# Altium PCB MB1397.PcbDoc (part 3 of 11)
Units mm, origin at the board's own origin, x right, y up, seen from the top; angles counter-clockwise.
Board outline 118.24 x 172.86 mm, 6 copper layers (Top Layer, L2_GND, L3_VCC, L4_SIG, L5_GND, Bottom Layer), stack 1.631 mm thick; 819 components, 632 nets, 2875 pads, 1523 vias.
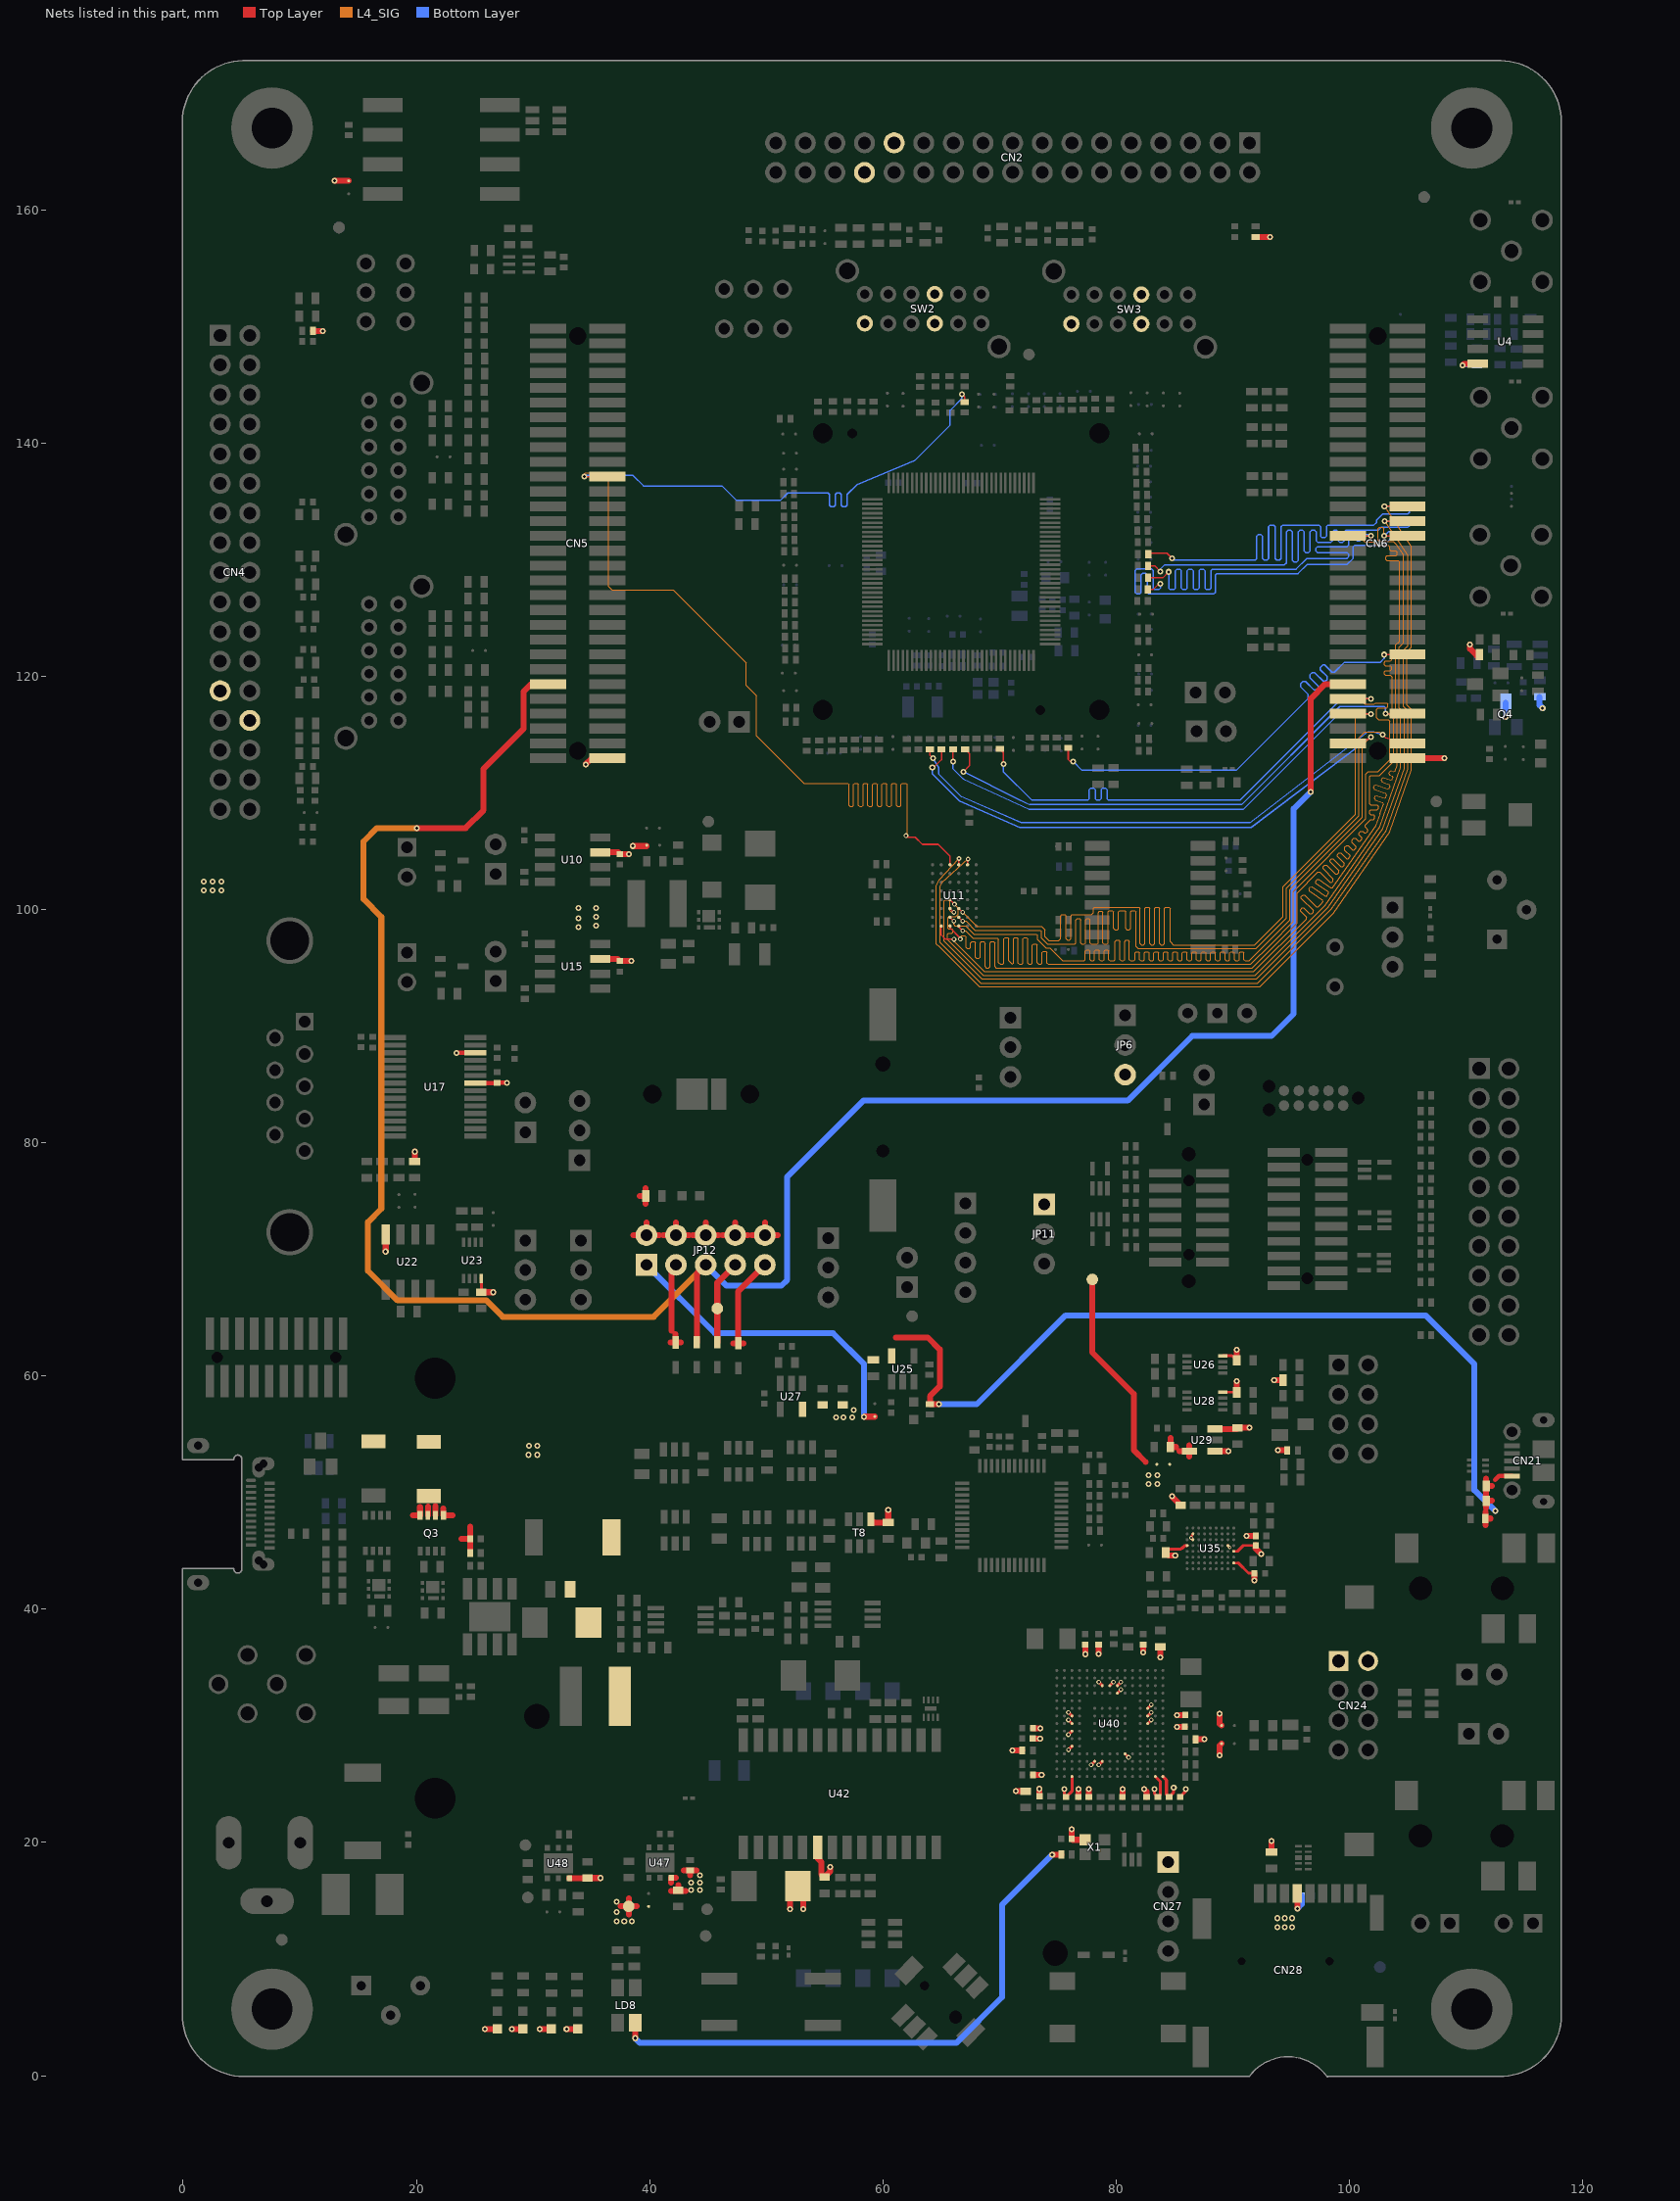
[diagram p7: the nets of this part, all layers, seen from the top]

## Part data (continued)
C2 C3 C4 C5 C6 C7 C8 C9 C10 C11 C22 C23 C24 C26 C29 C31 C33 C34 C37 C39 C40 C42 C44 C47 C48 C50 C51 C52 C53 C54 C55 C56 C57 C58 C59 C63 C72 C77 C78 C80 C82 C83 C93 C94 C96 C98 C100 C106 C107 C116 C117 C118 C125 C128 C130 C131 C132 C133 C134 C136 C137 C138 C139 C140 C141 C142 C143 C144 C145 C146 C147 C148 C157 C160 C161 C162 C164 C165 C168 C169 C170 C173 C174 C175 C176 C184 C186: library part MCD-00006, "Capacitor, MLCC, 100nF, 16V, X7R, 10%, 0402, T=0.5mm"
C12 C38 C71 C74: library part MCD-00011, "Capacitor, MLCC, 10nF, 16V, X7R, 10%, 0402, T=0.5mm"
C13 C28 C36 C45 C60 C61 C62 C64 C65 C67 C69 C70 C108 C110 C111 C119 C120 C126 C127 C153 C154 C155 C158 C159 C179: library part MCD-00211, "Capacitor, MLCC, 100nF, 16V, X7R, 10%, 0603, T=0,8mm"
C14 C15 C17 C18 C19 C20 C21 C25 C27 C32: library part MCD-01188, "Capacitor,120pF,50V,NPO,5%,0603"
C30 C180: library part MCD-01124, "Capacitor, MLCC, 10μF, 10V, X5R, 10%, 0603, T=0.8mm"
C35 C81 C171: library part MCD-01101, "Capacitor,100pF,50V,X7R,10%,0603"
C41 C121 C152: library part MCD-00559, "Capacitor, Tantalum, 47uF, 16V, 10%, TypeC"
C43 C66 C68 C73 C76 C79 C85 C87 C92 C99 C101 C112 C135 C167: library part MCD-00010, "Capacitor, MLCC, 1uF, 16V, X5R, 10%, 0603, T=0,8mm"
C46 C75 C84 C86 C88 C89 C90 C91 C97 C113 C149 C150 C151 C156 C163: library part MCD-00009, "Capacitor, MLCC, 4.7uF, 16V, X5R, 10%, 0603, T=0.8mm"
C95: library part MCD-00203, "Capacitor, MLCC, 22pF, 50V, C0G, 5%, 0402, T=0,5mm"
C102: library part MCD-00101, "Capacitor, MLCC, 22uF, 6V3, X5R, 20%, 0805, T=1,25mm"
C103 C104 C105 C114: library part MCD-00012, "Capacitor, MLCC, 2.2uF, 10V, X5R, 10%, 0603, T=0,8mm"
C109: library part MCD-00142, "Capacitor, Tantalum, 220uF, 10V, 10%, TypeC"
C115 C122: library part MCD-00008, "Capacitor, MLCC, 2.2uF, 16V, X7R, 10%, 1206, T=1,15mm"
C123 C124: library part MCD-01056, "Capacitor, X7R, 10μF, 50V, 20%, 1210, T=2.5mm"
C129 C166: library part MCD-00014, "Capacitor, MLCC, 10uF, 25V, X5R, 10%, 0805, T=0,85mm"
C172: library part MCD-00016, "Capacitor, MLCC, 20pF, 50V, NPO, 5%, 0402, T=0,5mm"
C177 C178: library part MCD-00556, "Capacitor, MLCC, 3.9pF, 50V, NPO, +-0.25pF, 0402, T=0,5mm"
C181: library part MCD-00205, "Capacitor, MLCC, 100pF, 50V, NPO, 5%, 0402, T=0,5mm"
C182 C183: library part MCD-01374, "Capacitor, MLCC, 5.6pF, 50V, NPO, 5%, 0402, T=0,5mm"
C185: library part MCD-00637, "Capacitor, MLCC, 10pF, 50V, NPO, 5%, 0603, T=0,8mm"
CN1: library part MCD-00131, "Socket, 4x2, 2.54mm, RA, SMT, Height 5.72mm"
CN2 CN4: library part MCD-00583, "Header, 17x2, 2.54mm, VR, TH, Height 8.89mm/2.92mm, shrouded"
CN3 CN7 CN8: library part MCD-01181, "SMB type right angle jack for PCB"
CN5 CN6: library part MCD-00576, "Header 30x2, 1.27mm, VR, CMS, Height 7.24mm"
CN9 CN32 JP1 JP2 JP4 JP8 JP10 JP16 JP17 JP18: library part MCD-00045, "Header, 2x1, 2,54mm, VR, TH, Height 5.84mm/2.54mm"
CN10 CN12 CN29 CN30: library part MCD-00314, "Header, 2x1, 2.54mm, VR, TH, Height 6mm/3mm"
CN11: library part MCD-00127, "Header, DB9, RA, TH, Height 13.57mm"
CN13: library part MCD-00558, "Battery Coin Cell holder, CR1220_12mm, Height 4.25mm"
CN14: library part MCD-01058, "Header, 2.54mm, 10x2, VR, TH, Height 9.1mm/3,1mm"
CN15: library part MCD-00031, "Tag_Connector Header, 10x2, No legs"
CN16: library part MCD-01226, "Header 5x2, 1.27mm, Dual row, Straight, Surface mount, vertical male connector. 3.05mm lead. Mates with FFSD connector. Footprint compatible with FTSH-107-01-L-DV,-K,-A,-P,-ES (STDC14 MEDIUM)"
CN17 CN19: library part MCD-01561, "Header 10x2, 1.27mm, VR, CMS, Height 3.05mm with alignment pin"
CN18 CN27: library part MCD-00029, "Header, 4x1, 2,54mm, VR, TH, Height 5.84mm/2.54mm"
CN20: library part MCD-01174, "Socket, 4x2, 2.54mm, VR, TH, Height 6.8mm, Double row"
CN21: library part MCD-00028, "USB-MICRO-B, 0.65mm, RA, SMT, Bottom Mount,"
CN22: library part MCD-00678, "USB Type C certified Connector SMT Mid-mount"
CN23: library part MCD-00682, "Connector Jack socket Stereo 3.5mm, 3 pins, RA, SMT, Blue (Line input)"
CN24: library part MCD-01195, "socket, 4x2, 2.54mm, VR, TH, Height 6.8mm, Double row"
CN25: library part MCD-00173, "DC-Power-Jack, 2.5mm, 5A, RA, TH"
CN26: library part MCD-00018, "Connector Jack socket Stereo 3.5mm, 3 pins, RA, SMT, Green (Line output)"
CN28: library part MCD-00023, "MicroSD Card Conn, Reversed-Type, Mnt Push-Push, Positionning holes"
CN31: "IC Card Socket 8 pin, SMT Open for Smartcard"
D1: library part MCD-00606, "Low Drop power Schottky rectifier(1A, 40V, 0.37 V)"
D2 D3 D4 D5 D6 D7 D11: library part MCD-00034
D8 D9: library part MCD-01087, "Low drop power Schottky rectifier(2A, 40V, 0.34V)"
D10: library part MCD-01229, "3 line IPAD, EMI filter for SIM card applications"
F1: library part MCD-00624, "SMD, PTC resettable fuse, IH:2.6A, IT:5A, Vdc_max:8V, Rmax:47mohm, BELFUSE"
H1 H2 H5 H6: library part MCD-00328
H3 H4: library part MCD-01368
HW2: library part MCD-00625, "STMicroelectronics logo footprint for PCB"
HW3: library part MCD-00628, "ROHS logo footprint for PCB"
HW4: library part MCD-00627, "Hand ESD logo footprint for PCB"
HW5: library part MCD-00626, "CE logo footprint for PCB"
JP5 JP6 JP7 JP9 JP11 JP13 JP14 JP15: library part MCD-00111, "Header, 3x1, 2,54mm, VR, TH, Height 5.84mm/2.54mm"
JP12: library part MCD-01203, "Header, 5x2, 2,54mm, VR, TH, Height 5.84mm/2.54mm - Shunt Fitted 1-2"
L1 L3 L6 L7 L8 L9: library part MCD-00047, "SMD Chip ferrite bead, 600R@100MHz +/-25%, 350mA, 500mohm DC, 0603, T=0.8mm"
L2: library part MCD-01190, "SMD power inductor. 82uH, 1.0A, 400mohm, 4.9x4.9x4.0mm"
L4: library part MCD-00150, "Through HOLE DC power EMI line filter, 40dB min (1MHz - 1GHz) insertion loss"
L5: library part MCD-01239, "FIXED IND 4.7UH 4.2A 35 MOHM SMD"
LD1 LD6: library part MCD-00588, "LED Green, 0603 SMD, Forward Voltage Typ=2V, Max=2.5V"
LD2: library part MCD-00590, "LED Orange, 0603 SMD, Forward Voltage Min=1.6V, Max=2.4V"
LD3 LD7: library part MCD-00587, "LED Red, 0603 SMD, 2V Forward Voltage"
LD4: library part MCD-00585, "LED Blue, 0603 SMD, Forward Voltage Min=2,8V, Max=3,8V"
LD5: library part MCD-01186, "White SMD LED lamp, Forward Voltage Typ=2.8V, Max=3.6V"
LD8: library part MCD-00051, "LED Bicolor"
LPB1: library part MCD-01191, "10mm Square Light Bar."
Q1: library part MCD-00151, "N-channel enhancement mode field-effect transistor"
Q2 Q3: library part MCD-01126, "Power Mosfet, P-channel,VDS -30V,RDS 12mohm typ,ID -9A"
Q4: library part MCD-00073, "NPN Bipolar Transistor"
R1 R26 R27 R28 R29 R30 R34 R35 R36 R37 R38 R39 R40 R41 R42 R43 R44 R45 R46 R47 R48 R49 R50 R53 R54 R60 R62 R63 R68 R69 R70 R71 R74 R75 R78 R79 R81 R82 R83 R84 R85 R87 R88 R89 R90 R93 R94 R96 R97 R98 R101 R102 R107 R108 R109 R112 R116 R118 R121 R123 R127 R130 R131 R132 R133 R134 R135 R136 R137 R138 R139 R140 R141 R142 R143 R144 R145 R146 R147 R148 R149 R150 R207 R210 R239 R243 R313 R314 R315 R317: library part MCD-00052, "Resistor,0R,0402,5%,1/16W"
R2 R3 R4 R5 R6 R7 R8 R10 R11 R12 R13 R15 R17 R18 R21 R31 R52 R55 R58 R61 R64 R72 R77 R86 R91 R92 R99 R100 R103 R110 R113 R114 R119 R120 R125 R126 R128 R151 R153 R154 R155 R216 R223 R232 R240 R245 R257 R258 R267: library part MCD-00056, "Resistor,0R,0603,5%,1/10W"
R9 R23: library part MCD-00184, "Resistor,3K3,0402,1%,1/16W"
R14: library part MCD-00520, "Resistor,7K5,0603,1%,1/10W"
R16 R226 R237 R279 R281 R282 R291: library part MCD-00065, "Resistor,4K7,0402,1%,1/16W"
R19: library part MCD-00486, "Resistor,51R,0603,1%,1/10W"
R20 R25 R51 R66 R95 R122: library part MCD-00540, "Resistor,9K1,0603,1%,1/10W"
R22 R24 R59 R76 R104 R115: library part MCD-00382, "Resistor,1K3,0603,1%,1/10W"
R32 R56 R65 R106: library part MCD-00364, "Resistor,1K1,0603,1%,1/10W"
R33 R57 R67 R105: library part MCD-00352, "Resistor,3K3,0603,1%,1/10W"
R73 R80: library part MCD-00217, "Resistor,1K5,0603,1%,1/10W"
R111 R220 R231 R297 R300: library part MCD-00442, "Resistor,270R,0603,1%,1/10W"
R117 R176 R213 R219 R264 R273 R274 R275 R276 R316: library part MCD-00220, "Resistor,10K,0603,1%,1/10W"
R124 R311: library part MCD-00222, "Resistor,47K,0603,1%,1/10W"
R129 R159 R160 R167 R168 R169 R170 R173 R178 R319 R320 R321 R322: library part MCD-00455, "Resistor,33R,0402,1%,1/16W"
R152 R172 R310: library part MCD-00456, "Resistor,33R,0603,1%,1/10W"
R156 R162: library part MCD-00164, "Resistor,220K,0402,1%,1/16W"
R157 R158 R164 R246 R250 R254 R259 R301 R302 R303 R304 R305 R306 R307 R308: library part MCD-00070, "Resistor,1K,0603,1%,1/10W"
R161 R163 R166 R171 R180 R182 R183 R184 R186 R195 R197 R200 R203 R212 R214 R217 R225 R234 R235 R261 R272 R278 R280 R283 R286 R288 R289 R294: library part MCD-00053, "Resistor,10K,0402,1%,1/16W"
R165 R181 R192: library part MCD-00338, "Resistor,120R,0603,1%,1/10W"
R174: library part MCD-01158, "GL55 series? photoconductive cell: Light resistance 10Lux range 10-20KOhm, Dark 1MOhm"
R175: library part MCD-01111, "Resistor,10R,0805,1%,Stackpole,1/4W"
R177: library part MCD-01185, "Resistor, 1R, 1206, 1%, 1/4W"
R179: library part MCD-00530, "Resistor,8K2,0603,1%,1/10W"
R185 R188 R189 R193 R205 R209 R211: library part MCD-00189, "Resistor,22R,0402,1%,1/16W"
R187 R266 R284 R285 R312: library part MCD-00119, "Resistor,100R,0402,1%,1/16W"
R190 R191: library part MCD-00430, "Resistor,22K,0603,1%,1/10W"
R194 R196 R199 R204 R206 R208: library part MCD-00481, "Resistor,47R,0402,1%,1/16W"
R198: library part MCD-00500, "Resistor,620R,0603,1%,1/10W"
R201 R202 R215 R218 R222 R228 R229 R230 R233 R241 R242 R287 R290: library part MCD-00223, "Resistor,100K,0603,1%,1/10W"
R221 R309: library part MCD-00527, "Resistor,820R,0402,1%,1/16W"
R224: library part MCD-00063, "Resistor,47K,0402,1%,1/16W"
R227: library part MCD-00323, "Resistor, 1R, 0805, 1%, 1/8W"
R236: library part MCD-00064, "Resistor,510R,0402,1%,1/16W"
R238: library part MCD-01152, "Resistor,24R,0805,1%,1/8W"
R244: library part MCD-00458, "Resistor,330K,0603,1%,1/10W"
R247: library part MCD-00531, "Resistor,82K,0402,1%,1/16W"
R248: library part MCD-01189, "Resistor,21K,0603,1%,1/10W"
R249: library part MCD-00224, "Resistor,100R,0603,1%,1/10W"
R251: library part MCD-00285, "Resistor,15K,0402,5%,1/16W"
R252: library part MCD-01153, "Resistor,620R,0805,1%,1/8W"
R253: library part MCD-01154, "Resistor,10K,0805,1%,1/8W"
R255 R256: library part MCD-00345, "Resistor,20R,0603,1%,1/10W"
R260 R265: library part MCD-00454, "Resistor,300K,0603,1%,1/10W"
R262 R270: library part MCD-01151, "Resistor,6K04,0603,1%,1/10W"
R263 R323: library part MCD-01171, "Resistor,49K9,0603,1%"
R268: library part MCD-01150, "Resistor,357K,0603,1%,1/10W"
R269: library part MCD-00185, "Resistor,3K,0402,1%,1/16W"
R271: library part MCD-00366, "Resistor,11K,0603,1%,1/10W"
R277: library part MCD-00055, "Resistor,2K7,0402,1%,1/16W"
R292: library part MCD-00422, "Resistor,20K,0603,1%,1/10W"
R293: library part MCD-01155, "Resistor,10K2,0603,1%,1/10W"
R295 R296: library part MCD-00197, "Resistor,330R,0603,1%,1/10W"
R298: library part MCD-00462, "Resistor,360R,0603,1%,1/10W"
R299: library part MCD-00354, "Resistor,470R,0603,1%,1/10W"
R318: library part MCD-00342, "Resistor,180R,0603,1%,1/10W"
RV1: library part MCD-01169, "4mm Square Trimming Potentiometer 10K OHM 0.25W PC PIN"
RV2: library part MCD-00575, "TRIMMER 10K OHM 0.5W PC PIN"
RV3: library part MCD-01156, "TRIMMER 50K OHM 0.5W PC PIN"
SB1 SB3 SB4 SB5 SB6 SB7 SB8 SB9 SB11 SB12 SB13 SB15 SB16 SB18 SB20 SB21 SB23 SB24 SB25 SB26 SB27 SB28 SB29 SB31 SB33 SB34 SB35 SB40 SB41 SB42 SB43 SB44 SB46 SB47 SB48 SB75 SB84 SB96 SB107 SB110 SB111 SB119 SB121 SB122 SB123: library part MCD-00071, "Solder Bridge ON"
SB2 SB10 SB14 SB17 SB19 SB22 SB30 SB32 SB36 SB37 SB38 SB39 SB45 SB49 SB50 SB51 SB52 SB53 SB54 SB55 SB56 SB57 SB58 SB59 SB60 SB61 SB62 SB63 SB64 SB65 SB66 SB67 SB68 SB69 SB70 SB71 SB72 SB73 SB74 SB76 SB77 SB78 SB79 SB80 SB81 SB82 SB83 SB85 SB86 SB87 SB88 SB89 SB90 SB91 SB92 SB93 SB94 SB95 SB97 SB98 SB99 SB100 SB101 SB102 SB103 SB104 SB105 SB106 SB108 SB109 SB112 SB113 SB114 SB115 SB116 SB117 SB118 SB120: library part MCD-00072, "Solder Bridge OFF"
SW1 SW4: library part MCD-01180, "vertical slider switch 2x(A to 2B)"
SW2 SW3 SW5 SW6: library part MCD-01179, "Vertical slide switch 4x (A to 2B)"
SW7: library part MCD-00566, "Mechanical Slide Switches 1K2 BLK ACT GOLD STRT MNT"
T1 T9 T10: library part MCD-01028, "N-channel 20 V, 0.025 O typ., 6 A STripFET? V Power MOSFET in a PowerFLAT? 2x2 package"
T2 T3 T4 T5 T6 T7 T8: library part MCD-00573, "[Obsolete] Power MOSFET - P-channel 20 V, 0.0195 OHM typ., 7 A STripFET H7 -  SOT23-6L"
TP1 TP2 TP3 TP4 TP5 TP6 TP7 TP8 TP9 TP10 TP11: library part MCD-00074, "Test Point 1mm"
U1 U55: library part MCD-00163, "Very low capacitance ESD protection"
U2 U5 U7: library part MCD-01242, "Single-line low capacitance Transil for bidirectional ESD protection 6V1"
U3: library part MCD-01551, "IC, 2.25 V low-voltage local digital temperature sensor, UDFN-6L"
U4: library part MCD-01205, "Wide-band Rail-to-Rail operational amplifiers with standby function"
U6: "ARM? Cortex?-M4 32-bit MCU, 512 KB Flash, 96 KB RAM, 5x USART, timers, ADC, DAC, comm. I/F, 1.65-3.6V, with footprint for socket IRONWOOD SG-QFE-7011MF"
U8: library part MCD-01204, "1.24V adjustable shunt voltage reference, Precision 0.5%"
U9 U14 U44 U50 U51 U52: library part MCD-00170, "ESD protection 6V1"
U10 U15: library part MCD-00129, "High-Speed CAN Flexible Data Rate Transceiver"
U11: library part MCD-01071, "SRAM,?8Mb,?10ns, 512Kx16bits, Async,?3.3v"
U12 U54: library part MCD-01128, "Micron Serial NOR Flash Memory"
U13 U16: library part MCD-01228, "Automotive dual-line Transil, transient voltage suppressor (TVS) for CAN bus. Compliant with interfaces in automotive: CAN-FD, LIN, FlexRay, MOST, SENT, USB"
U17: library part MCD-00152, "RS-232 transceiver with auto-power-down"
U18 U19 U20 U21 U24 U45: library part MCD-00136, "Dual Transil array for ESD protection"
U22: library part MCD-01160, "RS-485/RS-422 transceiver Up to 12Mbps"
U23 U26 U28: library part MCD-00264, "Dual bit dual supply bus transceiver"
U25: library part MCD-00159, "500mA, Enhanced single channel power switches with active high enable pin"
U27: library part MCD-00086, "Ultra low drop-low noise BiCMOS voltage, regulators low ESR capacitors compatible"
U29: library part MCD-00078, "Ultra low drop-low noise BiCMOS voltage, regulators low ESR capacitors compatible"
U30: library part MCD-00255, "Dual Transil array ESD protection"
U31: library part MCD-00649, "Common mode filter with ESD protection for USB 2.0 interface"
U32: library part MCD-00135, "Ultra-low-power 32-bit MCU ARM"
U33: library part MCD-01231, "3000 W Transil"
U34: library part MCD-00251, "High power transient voltage suppressor, 7V breakdown"
U35: library part MCD-00079, "Multi-Channel Audio Hub CODEC for Smartphones"
U36: library part MCD-01026, "High power transient voltage suppressor"
U37: library part MCD-01237, "4A step-down switching regulator"
U38 U39: library part MCD-00325, "Very high accuracy (5 μV) zero drift micropower 5 V operational amplifiers"
U40: library part MCD-00596, "STM32F723IEK ?(STM32F7) BGA176"
U41: library part MCD-00247, "Quad Bidir ESD protection"
U42: library part MCD-01162, "Smartcard interfaces"
U43: library part MCD-01238, "3000 W Transil"
U46: library part MCD-00667, "4-line ESD protection for high speed lines"
U47: library part MCD-01025, "LDO, 3.3V, 1.3A, Very low quiescent current BiCMOS voltage regulator"
U48: library part MCD-00581, "LDO Linear Voltage Regulator IC Positive Adjustable 1 Output Adjustable 1.3A 6-DFN (3x3)"
U49: library part MCD-01066, "5 unidirectional Transil diodes ESD protection"
U53: library part MCD-01157, "Programmable voltage reference"
X1: library part MCD-00597, "Oscillator 25.00Mhz, -+50PPM, 3.3V, Temp -55 to +125°C"
X2: library part MCD-01036, "24MHz crystal oscillator - Cl:6pf -"
X3: library part MCD-00091, "Crystal 32.768kHz, 6pF, -+20PPM, R=50K, SMD"

## Free pads (board coordinates)
  round 1.016 smd mask+1.016: 1(8.458,11.659) 1(13.36,158.471) 1(106.401,161.087)
  round 1.016 smd far side mask+1.016: 1(13.36,158.471) 1(102.616,9.322) 1(106.401,161.087)

## Via types
v1: diameter 0.508, hole 0.254, Top Layer to Bottom Layer, tented both sides, 1330 vias
v2: diameter 0.406, hole 0.203, Top Layer to Bottom Layer, tented both sides, 115 vias
v3: diameter 0.508, hole 0.254, Top Layer to Bottom Layer, 33 vias
v4: diameter 0.305, hole 0.152, Top Layer to Bottom Layer, tented both sides, 26 vias
v5: diameter 0.61, hole 0.305, Top Layer to Bottom Layer, tented both sides, 14 vias
v6: diameter 0.61, hole 0.33, Top Layer to Bottom Layer, tented both sides, 2 vias
v7: diameter 0.381, hole 0.203, Top Layer to Bottom Layer, tented both sides, 2 vias
v8: diameter 0.508, hole 0.203, Top Layer to Bottom Layer, tented both sides, 1 vias
